# Altium PCB MODULE_4x100_Fx_V1.0.PcbDoc (part 2 of 3)
Units mm, origin at the board's own origin, x right, y up, seen from the top; angles counter-clockwise.
Board outline 87.3 x 95.5 mm, 6 copper layers (Top Layer, Int1 (GND), Int2 (SIG/PWR), Int3 (PWR), Int4 (GND), Bottom Layer), stack 1.452 mm thick; 347 components, 196 nets, 1179 pads, 431 vias.
Unrouted connection lines stored in the file: 11.
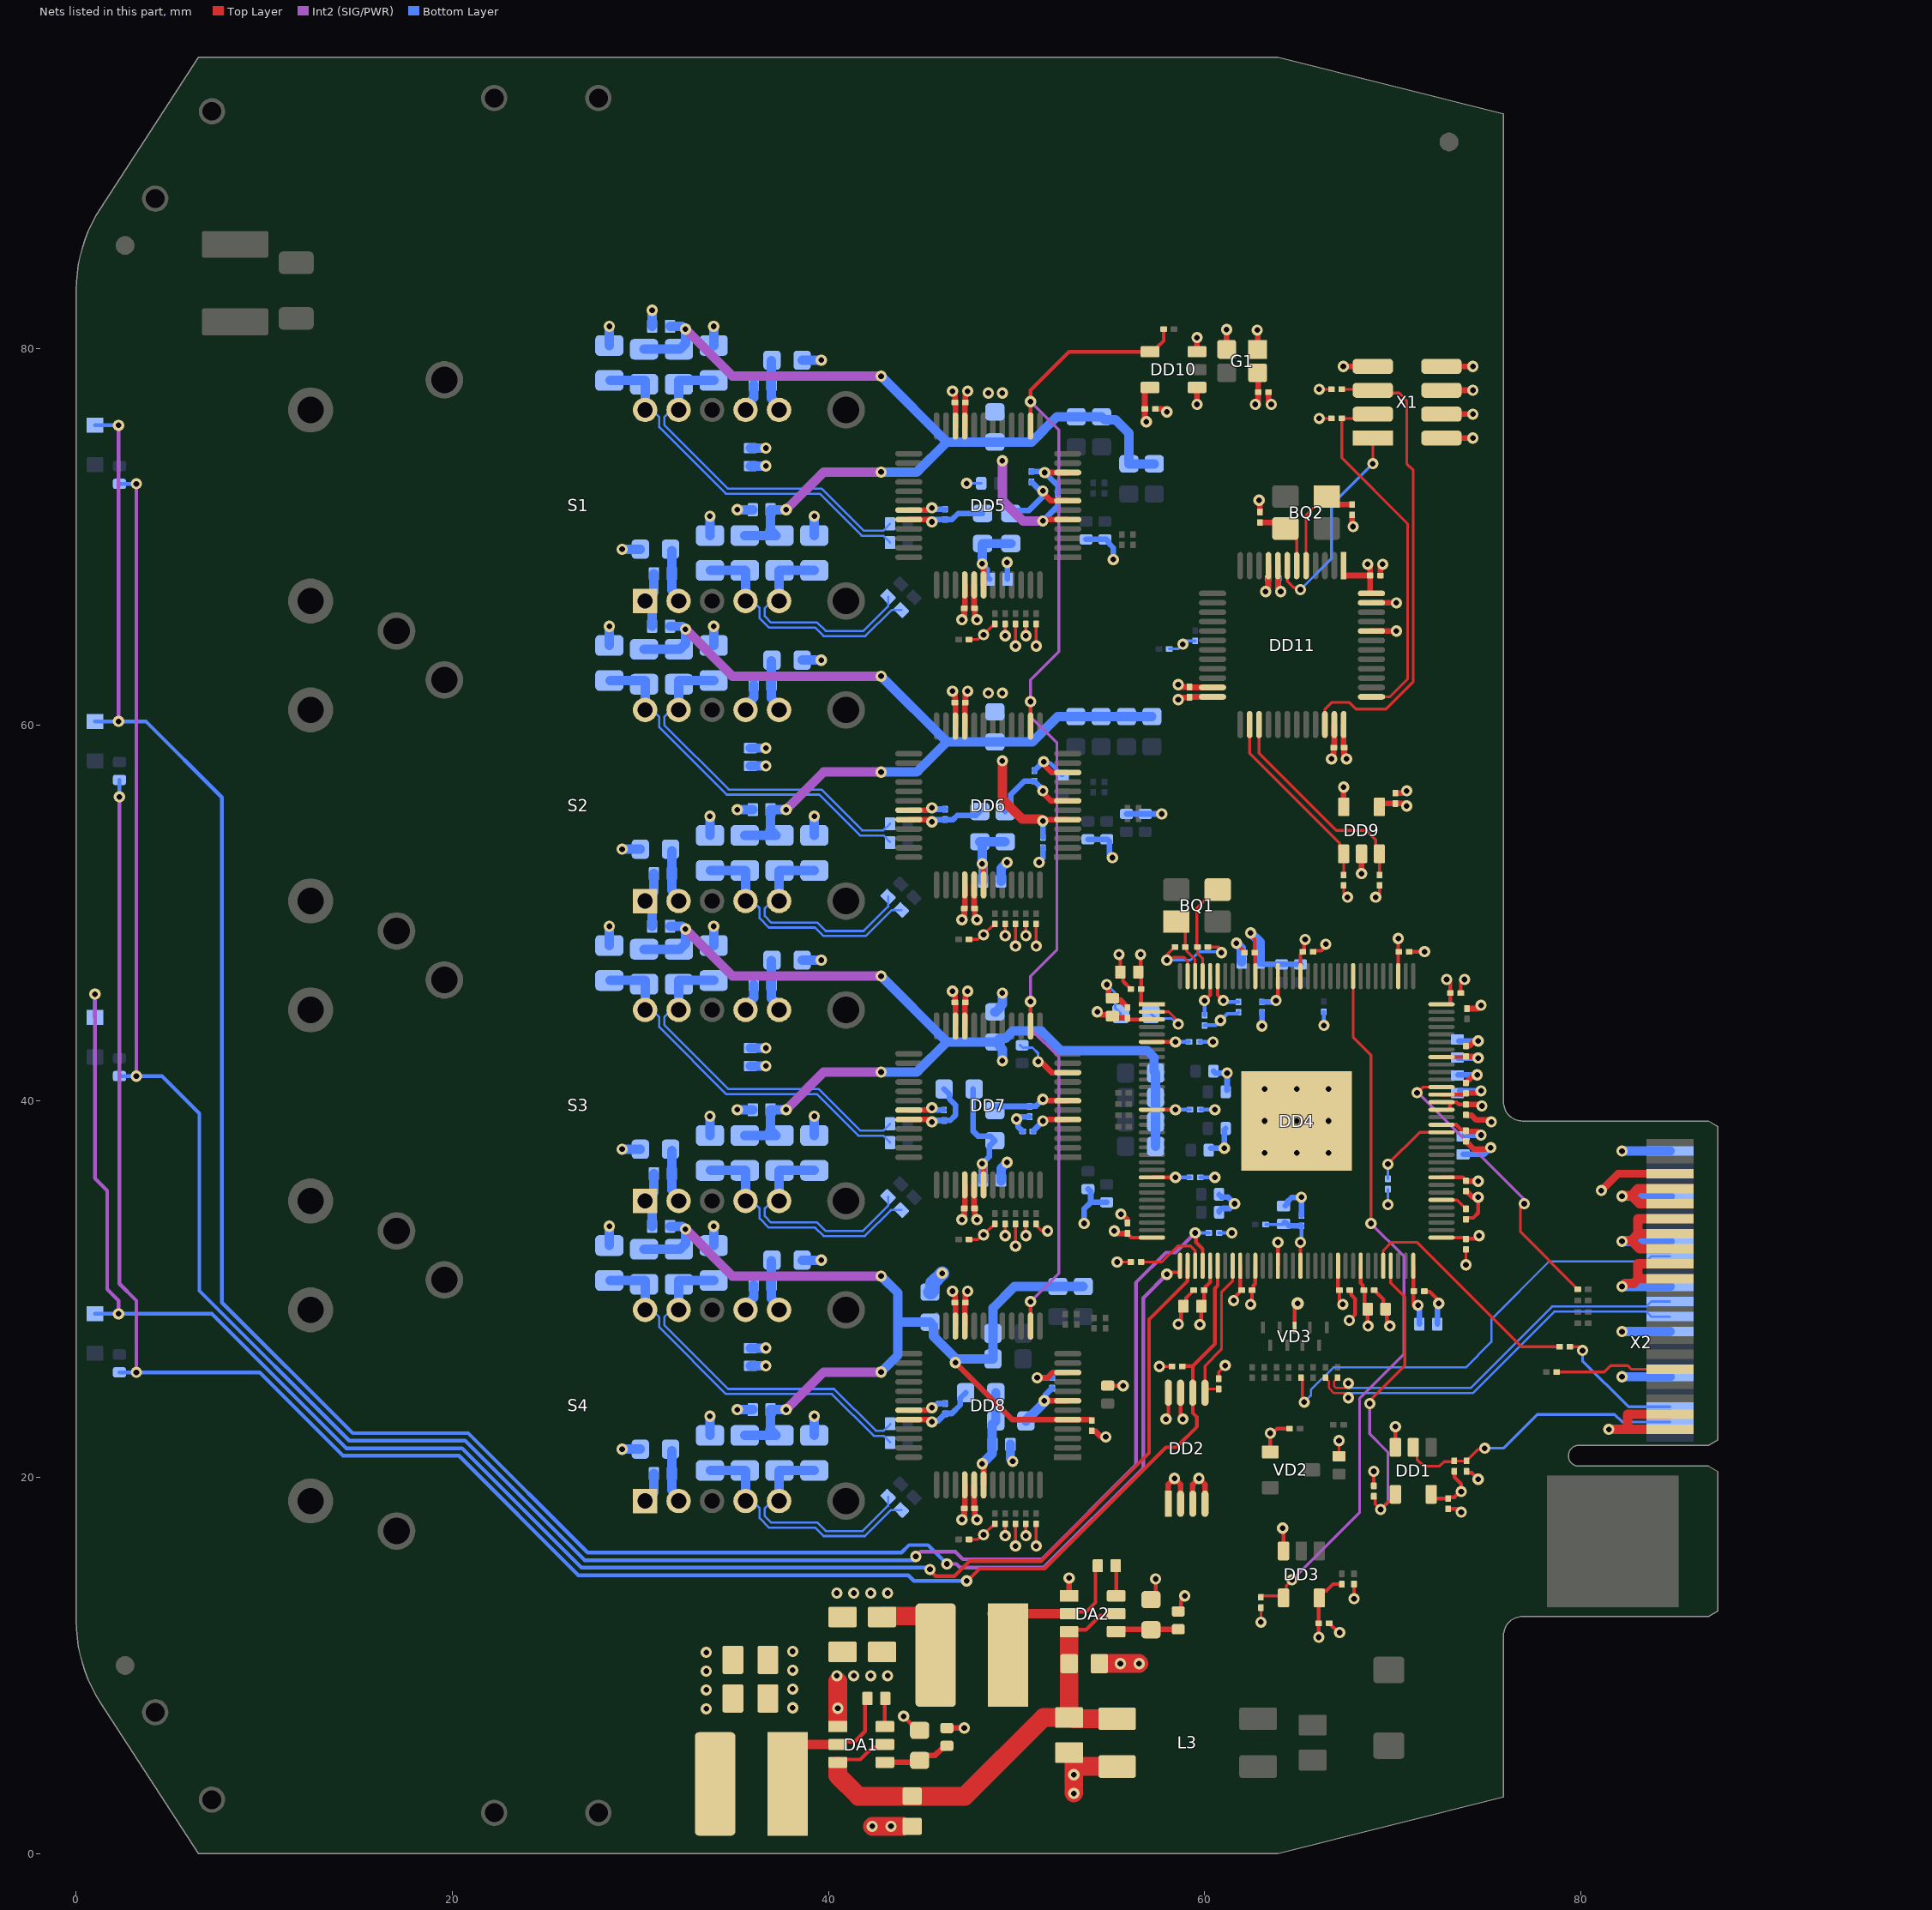
[diagram p6: the nets of this part, all layers, seen from the top]

## Via types
v1: diameter 0.6, hole 0.3, Top Layer to Bottom Layer, tented both sides, 421 vias
v2: diameter 0.6, hole 0.3, Top Layer to Bottom Layer, tented bottom, 9 vias
v3: diameter 0.65, hole 0.3, Top Layer to Bottom Layer, tented both sides, 1 vias

## Nets (pads, with @x,y where several pads share a name; then routed paths per layer and width w, separated by ;. In a path a pad name is that pad's centre, name@x,y a point inside that pad or via, vN(x,y) a via of type N, cw(c..) or ccw(c..) an arc to the next point about the centre after c; other vN are vias at no path point) (continued)
1G_TXRX_C_P: C53.2 X2.26 | length 24.9
  Top Layer w0.15: C53.2@65.125,25.3 65.2,25.225 65.2,24.1 v1(65.3,24)
  Bottom Layer w0.119: v1(65.3,24) 65.652,24.352 65.652,24.646 66.857,25.85 73.9,25.85 75.25,27.2 75.25,28.4 78.334,31.484 83.49,31.484 83.56,31.554 83.56,31.559 83.75,31.75 X2.26@84.75,31.75
1G_TXRX_D_N: C58.2 X2.20 | length 20.6
  Top Layer w0.119: C58.2@67.075,25.3 67.075,25.275 66.884,25.084 66.884,24.866 67,24.75 v1@67.65,24.75
  Bottom Layer w0.119: v1(67.65,25) 67.65,24.77 67.668,24.752 74.152,24.752 78.484,29.084 83.49,29.084 83.56,29.154 83.56,29.159 83.75,29.35 X2.20@84.75,29.35
1G_TXRX_D_P: C54.2 X2.18 | length 21
  Top Layer w0.119: C54.2@66.425,25.3 66.425,25.275 66.616,25.084 66.616,24.755 66.889,24.482 v1@67.65,24.482
  Bottom Layer w0.119: v1(67.65,24.232) 67.65,24.459 67.674,24.484 74.263,24.484 78.595,28.816 83.49,28.816 83.56,28.746 83.56,28.74 83.75,28.55 X2.18@84.75,28.55
+1V0: C31.2 C33.2 C34.2 C35.1 C37.2 C38.1 C39.2 C40.1 DD4.43 DD4.54 DD4.65 DD4.84 DD4.96 DD4.112 DD4.123 | length 15
  Top Layer w0.2: DD4.123@60.7,46.65 60.7,45.65 v1@60.95,45.4 ; v1@62.525,29.125 C35.1@62.525,29.95 ; C35.1@62.55,29.95 62.6,30 62.6,30.2 62.7,30.3 DD4.43@62.7,31.25 ; DD4.112@65.1,46.65 65.1,47.783 65.15,47.833 65.15,47.9 65.2,47.95 C34.2@65.225,47.95 65.25,47.95 65.3,48 65.3,48.025 v1@65.3,48.55 ; DD4.54@67.1,31.25 67.1,30.117 67.1,30 C38.1@67.15,29.95 ; v1@67.175,29.075 C38.1@67.175,29.95 ; DD4.65@72.6,32.75 73.733,32.75 73.85,32.75 73.9,32.7 v1@74.6,32.7 ; DD4.84@72.6,40.35 73.825,40.35 C33.2@73.9,40.425 C33.2@73.925,40.45 ; DD4.96@73.075,45.15 C37.2@73.075,45.75 v1@73.075,46.475
  Top Layer w0.3: C33.2@73.925,40.45 v1@74.625,40.45
  Bottom Layer w0.2: v1@61.075,45.275 C39.2@61.8,45.275
  Bottom Layer w0.3: C31.2@73.575,40.55 v1(74.7,40.55)
  other v1: 62.45,29.2 67.35,29.2 74.6,32.85 61,45.35 72.875,46.475 65.35,48.6
+1V8: C7.1 C10.1 C41.2 C42.2 C43.2 C44.2 C45.2 C46.2 C47.2 C48.2 C49.2 C50.2 DD4.3 DD4.6 DD4.15 DD4.24 DD4.46 DD4.57 DD4.82 DD4.83 DD4.115 DD4.124 L2.2 R3.2 | length 24.5
  Top Layer w0.2: C44.2@55.9,44.4 55.95,44.35 DD4.3@57.2,44.35 ; R3.2@57.15,13.5 57.4,13.75 v1(57.4,14.6) ; DD4.24@57.2,35.95 v1@58.4,35.95 ; DD4.15@57.2,39.55 v1@58.4,39.55 ; DD4.6@57.2,43.15 v1(58.45,43.15) ; v1@60.05,45.4 60.3,45.65 DD4.124@60.3,46.65 ; DD4.46@63.9,31.25 v1(63.9,32.5) ; v1@63.9,45.35 DD4.115@63.9,46.65 ; DD4.57@68.3,31.25 68.3,30.33 68.412,30.218 68.412,30 68.462,29.95 C41.2@68.475,29.95 68.5,29.925 68.5,29.125 C42.2@68.675,28.95 68.675,28.075 v1(68.7,28.05) ; DD4.83@72.6,39.95 DD4.83@73.05,39.95 ; DD4.82@73.05,39.55 DD4.83@73.05,39.95 ; C50.2@73.9,39.825 73.525,39.825 73.4,39.95 DD4.83@73.05,39.95
  Top Layer w0.3: v1@54.35,44.75 54.5,44.6 55.025,44.6 C48.2@55.1,44.525 ; C48.2@55.12,44.575 55.27,44.425 C44.2@55.9,44.425 ; C50.2@73.9,39.825 v1@74.725,39.825
  Top Layer w1: C10.1@42.85,12.58 42.9,12.63 L2.2@45.8,12.63
  Bottom Layer w0.2: v1(58.45,35.95) C47.2@59.225,35.95 ; v1(58.45,39.55) C45.2@59.225,39.55 ; v1(58.45,43.15) C43.2@59.175,43.15 ; C46.2@60,44.575 v1(60,45.35)
  Bottom Layer w0.3: C49.2@63.05,45.275 63.644,45.275 63.719,45.35 v1(63.8,45.35)
  other v1: 40.45,13.85 41.35,13.85 42.25,13.85 43.15,13.85 74.75,39.75 54.3,44.75
+2V5_EXT: C11.1 C20.1 DD1.5 DD3.5 R5.2 R11.2 X2.35 | length 10.6
  Top Layer w0.2: v1@66.075,11.625 C20.1@66.075,12.25 DD3.5@66.075,13.565 ; DD3.5@66.1,13.59 66.1,13.78 66.3,13.98 66.49,13.98 66.835,14.325 R11.2@67.3,14.325 ; DD1.5@72.05,19.075 72.25,18.875 C11.1@72.95,18.875 ; C11.1@73,18.875 73.077,18.952 73.302,18.952 73.65,19.3 73.65,19.65 73.293,20.007 73.293,20.312 R5.2@73.28,20.325
  Top Layer w0.4: v1(81.1,35.25) 82,36.15 X2.35@84.75,36.15
  other v1: 66.075,11.5 73.65,19.25
+3V3: C6.1 C9.1 C12.2 C13.1 C14.2 C15.2 C16.1 C17.2 C18.2 C21.1 C22.2 C23.2 C26.1 C27.2 C28.2 C29.1 C30.2 C32.1 C36.1 C59.2 C60.2 C75.1 C79.2 C80.2 C95.1 C98.2 C99.2 C114.1 C117.2 C118.2 C133.1 C136.2 C137.2 C138.2 C141.2 C142.2 C143.2 C144.2 DD2.8 DD4.1 DD4.32 DD4.37 DD4.49 DD4.64 DD4.73 DD4.80 DD4.89 DD4.99 DD4.118 DD5.22 DD5.40 DD6.22 DD6.40 DD7.22 DD7.40 DD8.22 DD8.40 DD9.4 DD10.1 DD10.5 DD11.1 DD11.9 DD11.24 DD11.36 DD11.48 G1.1 G1.4 L1.2 L4.2 L7.2 L8.2 L9.2 L12.2 L13.2 L14.2 L17.2 L18.2 L19.2 L22.2 L23.2 R1.2 R10.2 R12.2 R14.2 R15.2 R16.2 R17.1 R18.2 R33.1 R34.1 R35.1 R36.1 R39.1 R41.1 R54.1 R55.1 R56.1 R58.1 R59.1 R60.1 R63.1 R65.1 R78.1 R79.1 R80.1 R81.1 R82.1 R83.1 R86.1 R88.1 R101.1 R102.1 R103.1 R104.1 R105.1 R106.1 R109.1 R111.1 R124.1 R125.1 R126.1 R127.1 R128.1 R129.1 R131.2 R132.2 VD2.1 X1.7 X1.8 | length 122.3
  Top Layer w0.15: R105.1@47.475,16.7 47.937,16.7 v1@48.187,16.95 ; R82.1@47.475,32.65 47.937,32.65 v1@48.187,32.9 ; R59.1@47.475,48.6 47.937,48.6 v1@48.187,48.85 ; R33.1@47.475,64.55 47.937,64.55 v1@48.187,64.8 ; v1(48.25,16.95) 48.85,17.55 R109.1@48.85,17.525 ; v1(48.25,32.9) R86.1@48.85,33.5 ; v1(48.25,48.85) R63.1@48.85,49.45 ; v1(48.25,64.8) R39.1@48.85,65.4 ; v1(49.95,16.35) R111.1@49.95,17.525 ; v1(49.95,32.3) R88.1@49.95,33.475 ; v1(49.95,48.25) R65.1@49.95,49.425 ; v1(49.95,64.2) R41.1@49.95,65.375 ; v1(51.05,16.35) R106.1@51.05,17.525 ; R83.1@51.05,33.475 51.05,33.4 51.35,33.1 v1(51.65,33.1) ; v1(51.05,48.25) R60.1@51.05,49.425 ; v1(51.05,64.2) R36.1@51.05,65.375 ; v1(57.6,25.9) R14.2@58.275,25.9 ; R15.2@60.75,25.25 60.75,25.6 v1(61.1,25.95) ; v1(63,12.3) R16.2@63,13.075 ; v1(66.1,76.3) R129.1@66.75,76.3 ; v1(66.1,77.85) R128.1@66.75,77.85 ; R131.2@67.4,51.475 67.4,51.05 v1(67.6,50.85) ; v1(69.1,50.85) 69.3,51.05 R132.2@69.3,51.475
  Top Layer w0.2: v1(44,7.3) 44.39,6.91 44.395,6.91 44.755,6.55 R1.2@44.85,6.55 ; C26.1@55.95,32.9 56.1,32.75 DD4.32@57.2,32.75 ; v1(56.6,47.8) 56.6,46.745 56.625,46.72 C29.1@56.625,45.97 DD4.1@56.625,45.15 ; v1(57.95,23.1) 58.075,23.225 DD2.8@58.075,24.5 ; v1@59.825,28.125 C13.1@59.825,29.1 ; C13.1@59.975,29.25 C16.1@59.975,29.95 60,29.95 60.05,30 60.05,30.13 60.3,30.38 DD4.37@60.3,31.25 ; v1(62.45,48.95) 62.45,48.815 62.675,48.59 C17.2@62.675,47.9 ; DD4.118@62.7,46.65 C17.2@62.7,47.875 ; VD2.1@63.496,21.35 v1(63.496,22.354) ; v1@63.617,22.354 63.864,22.6 R12.2@64.525,22.6 ; DD4.49@65.1,31.25 v1(65.1,32.5) ; R10.2@69,19.55 v1(69,20.325) ; DD4.99@70.3,46.65 v1(70.3,48.65) ; v1@71.1,29.15 DD4.64@71.1,31.25 ; DD4.73@72.6,35.95 73.725,35.95 73.825,35.85 73.85,35.85 73.9,35.8 C15.2@73.95,35.75 ; DD4.80@72.6,38.75 73.391,38.75 73.642,38.499 73.85,38.499 73.9,38.449 C36.1@73.9,38.425 C36.1@73.925,38.4 ; DD4.89@72.6,42.35 C28.2@73.9,42.35
  Top Layer w0.3: v1@46.6,29.85 46.725,29.725 C117.2@46.725,29.3 ; v1@46.6,45.8 46.725,45.675 C98.2@46.725,45.25 ; v1@46.6,61.75 46.725,61.625 C79.2@46.725,61.2 ; v1@46.6,77.7 46.725,77.575 C59.2@46.725,77.15 ; DD8.22@46.75,28.05 46.75,29.225 C117.2@46.75,29.3 ; DD7.22@46.75,44 46.75,45.175 C98.2@46.75,45.25 ; DD6.22@46.75,59.95 46.75,61.125 C79.2@46.75,61.2 ; DD5.22@46.75,75.9 46.75,77.075 C59.2@46.75,77.15 ; v1@47.1,17.8 47.225,17.925 C118.2@47.225,18.35 ; v1@47.1,33.75 47.225,33.875 C99.2@47.225,34.3 ; v1@47.1,49.7 47.225,49.825 C80.2@47.225,50.25 ; v1@47.1,65.65 47.225,65.775 C60.2@47.225,66.2 ; C118.2@47.25,18.35 47.25,18.425 DD8.40@47.25,19.6 ; C99.2@47.25,34.3 47.25,34.375 DD7.40@47.25,35.55 ; C80.2@47.25,50.25 47.25,50.325 DD6.40@47.25,51.5 ; C60.2@47.25,66.2 47.25,66.275 DD5.40@47.25,67.45 ; v1(55.2,33.1) 55.325,32.975 C26.1@55.9,32.975 ; v1@56.825,76.125 C138.2@56.825,76.8 56.825,77.8 DD10.5@56.975,77.95 ; v1@58.6,61.4 58.675,61.475 C143.2@59.2,61.475 59.2,61.5 59.25,61.5 DD11.24@60.425,61.5 ; v1(59.6,77.05) DD10.1@59.6,77.95 ; v1(62.7,77.05) 62.85,77.2 C136.2@62.85,77.7 G1.4@62.85,78.7 ; v1(62.8,81) 62.825,80.975 G1.1@62.825,79.975 ; v1(63.25,67.1) 63.4,67.25 DD11.9@63.4,68.475 ; v1(67.38,79.07) X1.7@68.95,79.07 ; DD11.36@67.4,60.025 67.4,58.85 67.4,58.8 C144.2@67.425,58.8 67.425,58.275 v1@67.5,58.2 ; DD11.1@67.4,67.95 C142.2@68.8,67.95 ; v1@68.725,68.55 68.8,68.475 C142.2@68.8,67.95 ; DD11.48@68.8,67 C142.2@68.8,67.95 ; DD9.4@69.3,55.675 69.45,55.825 C137.2@70.15,55.825 70.675,55.825 v1@70.75,55.75 ; X1.8@72.7,79.07 v1(74.27,79.07) ; C28.2@73.9,42.375 74.475,42.375 v1(74.55,42.3) ; C36.1@73.925,38.4 74.5,38.4 v1(74.7,38.2) ; C15.2@73.95,35.75 v1(74.55,35.75)
  Bottom Layer w0.15: R34.1@58.125,64.05 58.6,64.05 v1(58.85,64.3) 59.025,64.475 R35.1@59.5,64.475 ; R18.2@63.25,33.45 C22.2@64.15,33.45
  Bottom Layer w0.2: R17.1@60.775,33 v1(61.45,33) ; v1@65.15,32.45 C27.2@65.15,33.375
  Bottom Layer w0.3: v1(53.6,33.5) 53.6,34.275 53.95,34.625 ; R56.1@53.7,69.875 R58.1@54.7,69.875 54.77,69.875 54.895,69.75 54.895,69.68 55.15,69.425 v1(55.15,68.8) ; R125.1@53.8,35.325 53.825,35.325 53.95,35.2 53.95,34.625 ; R80.1@53.8,53.925 R81.1@54.8,53.925 54.825,53.925 54.95,53.8 54.95,53.1 v1(55.1,52.95) ; R124.1@54.8,34.625 53.95,34.625 ; R78.1@55.85,55.275 v1(57.725,55.275) ; R103.1@60.325,37.5 60.874,37.5 61.05,37.676 61.05,38.475 R104.1@61.125,38.55 ; R102.1@60.475,41.6 60.575,41.5 v1(61.2,41.5) R101.1@61.2,40.575 ; R126.1@60.775,34.1 60.775,34.17 60.9,34.295 60.97,34.295 60.975,34.3 61.35,34.3 v1(61.6,34.55) 61.25,34.9 60.9,34.9 60.775,35.025 R127.1@60.775,35.05 ; C14.2@63,47.35 63,47.325 63.05,47.275 R55.1@65.1,47.275 ; v1(63.25,67.1) 63.25,67.181 63.375,67.306 C141.2@63.375,67.8 ; C22.2@64.25,33.55 64.295,33.55 64.47,33.375 C27.2@65.15,33.375 ; C12.2@71.425,28.15 v1@71.425,29.075 ; C23.2@73.475,42.3 v1(74.55,42.3) ; C32.1@73.825,38.2 v1(74.7,38.2)
  Bottom Layer w0.5: v1(29.03,21.5) L22.2@30,21.5 ; v1(29.03,37.45) L17.2@30,37.45 ; v1(29.03,53.4) L12.2@30,53.4 ; v1(29.03,69.35) L7.2@30,69.35 ; C133.1@35.85,25.925 v1(36.675,25.925) ; C114.1@35.85,41.875 v1(36.675,41.875) ; C95.1@35.85,57.825 v1(36.675,57.825) ; C75.1@35.85,73.775 v1(36.675,73.775) ; L23.2@38.6,31.55 v1(39.62,31.55) ; L18.2@38.6,47.5 v1(39.62,47.5) ; L13.2@38.6,63.45 v1(39.62,63.45) ; L8.2@38.6,79.4 v1(39.62,79.4) ; L14.2@48.85,44.75 48.9,44.75 49.11,44.96 49.11,45.01 49.25,45.15 v1(49.25,45.75) ; v1(62.45,48.95) 62.949,48.451 62.949,47.424 C14.2@62.925,47.4
  Bottom Layer w0.75: L19.2@45.4,29.85 45.45,29.85 45.535,29.935 45.535,30.335 v1(46.05,30.85)
  other v1: 33.502,7.698 33.502,8.698 33.502,9.698 33.502,10.698 47.1,17.75 59.75,28.125 71.35,29.15 46.6,29.9 47.1,33.7 61.05,37.5 46.6,45.85 47.1,49.65 70.75,55.7 67.55,58.2 58.6,61.35 48.5,61.7 49.25,61.7 46.6,61.8 47.1,65.6 68.675,68.55 56.9,76.125 48.5,77.65 49.25,77.65 46.6,77.75
+3V3_P0: C61.2 C66.1 C67.1 DD5.5 L4.1 R42.2 R43.2 R45.2 R47.2 R48.2 R50.2 R52.2 R53.2 | length 55.2
  Top Layer w0.3: v1(51.4,70.85) 51.475,70.925 DD5.5@52.725,70.925
  Int2 (SIG/PWR) w0.5: v1(32.4,81.05) 34.9,78.55 v1(42.8,78.55) ; v1(37.75,71.45) 39.75,73.45 v1(42.8,73.45) ; v1(49.25,74.05) 49.25,71.95 50.35,70.85 v1(51.4,70.85)
  Bottom Layer w0.3: v1(51.4,70.85) 52.2,71.65 C61.2@52.2,71.725
  Bottom Layer w0.5: R43.2@30.2,79.98 R48.2@32.05,79.98 32.1,79.98 32.4,80.28 32.4,81.021 32.221,81.2 C66.1@31.575,81.2 ; R45.2@35.55,70.08 37.225,70.08 36.925,70.38 C67.1@36.925,71.45 v1(37.75,71.45) ; v1(42.8,73.45) 44.7,73.45 46.3,75.05 ; v1(42.8,78.55) 46.3,75.05 ; R47.2@57.326,73.89 R42.2@55.976,73.89 55.976,75.524 55.279,76.221 54.695,76.221 R53.2@54.526,76.39 R52.2@53.176,76.39 52.14,76.39 50.8,75.05 L4.1@48.85,75.05 46.3,75.05
+3V3_P1: C81.2 C86.1 C87.1 DD6.5 L9.1 R66.2 R67.2 R69.2 R71.2 R72.2 R74.2 R76.2 R77.2 | length 52.7
  Top Layer w0.3: v1(51.4,54.9) 51.475,54.975 DD6.5@52.725,54.975
  Top Layer w0.5: v1(49.25,58.1) 49.25,56.05 50.3,55 51.273,55 51.373,54.9 v1(51.4,54.9)
  Int2 (SIG/PWR) w0.5: v1(32.4,65.1) 34.9,62.6 v1(42.8,62.6) ; v1(37.75,55.5) 39.75,57.5 v1(42.8,57.5)
  Bottom Layer w0.3: C81.2@51.4,54.025 v1(51.4,54.9)
  Bottom Layer w0.5: R67.2@30.2,64.03 R72.2@32.05,64.03 32.1,64.03 32.4,64.33 32.4,65.071 32.221,65.25 C87.1@31.575,65.25 ; R69.2@35.55,54.13 37.225,54.13 36.925,54.43 C86.1@36.925,55.5 v1(37.75,55.5) ; v1(42.8,57.5) 44.7,57.5 46.3,59.1 ; v1(42.8,62.6) 46.3,59.1 ; L9.1@48.85,59.1 46.3,59.1 ; L9.1@48.95,59.1 50.85,59.1 52.2,60.45 R76.2@53.15,60.45 R77.2@54.5,60.45 R66.2@55.85,60.45 R71.2@57.2,60.45
+3V3_P2: C100.2 C105.1 C106.1 DD7.5 L14.1 R89.2 R90.2 R92.2 R94.2 R95.2 R97.2 R99.2 R100.2 | length 54.1
  Top Layer w0.3: v1@51.475,39.025 DD7.5@52.725,39.025
  Int2 (SIG/PWR) w0.5: v1(32.4,49.15) 34.9,46.65 v1(42.8,46.65) ; v1(37.75,39.55) 39.75,41.55 v1(42.8,41.55)
  Bottom Layer w0.3: C100.2@50.875,38.4 50.9,38.4 50.9,38.425 v1@51.4,38.925
  Bottom Layer w0.5: R90.2@30.2,48.08 R95.2@32.05,48.08 32.1,48.08 32.4,48.38 32.4,49.121 32.221,49.3 C106.1@31.575,49.3 ; R92.2@35.55,38.18 37.225,38.18 36.925,38.48 C105.1@36.925,39.55 v1(37.75,39.55) ; v1(42.8,41.55) 44.7,41.55 46.3,43.15 ; v1(42.8,46.65) 46.3,43.15 ; v1(49.25,42.15) 49.25,42.75 49.11,42.89 49.11,42.94 L14.1@48.9,43.15 ; R99.2@57.4,37.6 R100.2@57.4,38.9 R89.2@57.4,40.2 R94.2@57.4,41.5 57.314,41.586 57.314,42.336 56.95,42.7 52.35,42.7 51.319,43.731 49.806,43.731 49.435,43.36 49.11,43.36 L14.1@48.9,43.15 ; 46.3,43.15 L14.1@48.9,43.15
  other v1: 51.4,38.95
+3V3_P3: C119.2 C124.1 C125.1 DD8.5 L19.1 R112.2 R113.2 R115.2 R117.2 R118.2 R120.2 R122.2 R123.2 | length 53.8
  Top Layer w0.3: v1(46.75,26.1) 49.775,23.075 DD8.5@52.725,23.075 53.9,23.075 53.925,23.05 54,23.05 C119.2@54,23.025
  Int2 (SIG/PWR) w0.5: v1(32.4,33.2) 34.9,30.7 v1(42.8,30.7) ; v1(37.75,23.6) 39.75,25.6 v1(42.8,25.6)
  Bottom Layer w0.5: R113.2@30.2,32.13 R118.2@32.05,32.13 32.1,32.13 32.4,32.43 32.4,33.171 32.221,33.35 C124.1@31.575,33.35 ; R115.2@35.55,22.23 37.225,22.23 36.925,22.53 C125.1@36.925,23.6 v1(37.75,23.6) ; v1(42.8,25.6) 43.7,26.5 43.7,28.25 ; v1(42.8,30.7) 43.7,29.8 43.7,28.25 ; R112.2@53.55,30.15 R117.2@52.2,30.15 49.9,30.15 48.75,29 R123.2@48.75,27.65 R122.2@48.75,26.3 46.8,26.3 45.586,27.514 45.586,28.064 L19.1@45.4,28.25 43.7,28.25
CLK_25MHZ: DD5.14 DD6.14 DD7.14 DD8.14 DD10.4 R130.2 | length 66.1
  Top Layer w0.2: DD8.14@50.75,28.05 v1(50.75,29.35) ; DD7.14@50.75,44 v1(50.75,45.3) ; DD6.14@50.75,59.95 v1(50.75,61.25) ; DD5.14@50.75,75.9 v1(50.75,77.2) 50.75,77.8 52.8,79.85 DD10.4@57.1,79.85 57.3,79.85 57.5,80.05 57.5,80.1 57.825,80.425 R130.2@57.825,81.05
  Int2 (SIG/PWR) w0.15: v1(50.75,29.35) 52.25,30.85 52.25,42.35 50.75,43.85 v1(50.75,45.3) 50.75,46.65 52.15,48.05 52.15,59.05 50.75,60.45 v1(50.75,61.25) 50.75,62.4 52.25,63.9 52.25,75.7 v1(50.75,77.2)
GND: C1.2 C2.2 C6.2 C7.2 C8.1 C9.2 C10.2 C11.2 C12.1 C13.2 C14.1 C15.1 C16.2 C17.1 C18.1 C19.1 C20.2 C21.2 C22.1 C23.1 C26.2 C27.1 C28.1 C29.2 C30.1 C31.1 C32.2 C33.1 C34.1 C35.2 C36.2 C37.1 C38.2 C39.1 C40.2 C41.1 C42.1 C43.1 C44.1 C45.1 C46.1 C47.1 C48.1 C49.1 C50.1 C59.1 C60.1 C61.1 C66.2 C67.2 C68.2 C69.2 C70.1 C75.2 C76.2 C77.1 C79.1 C80.1 C81.1 C86.2 C87.2 C88.2 C89.2 C90.1 C95.2 C96.2 C97.1 C98.1 C99.1 C100.1 C105.2 C106.2 C107.2 C108.2 C109.1 C114.2 C115.2 C116.1 C117.1 C118.1 C119.1 C124.2 C125.2 C126.2 C127.2 C128.1 C133.2 C134.2 C135.1 C136.1 C137.1 C138.1 C139.1 C140.1 C141.1 C142.1 C143.1 C144.1 DA1.1 DA2.1 DD1.3 DD2.1 DD2.2 DD2.3 DD2.4 DD2.7 DD3.3 DD4.41 DD4.EP DD5.10 DD5.21 DD5.31 DD5.41 DD6.10 DD6.21 DD6.31 DD6.41 DD7.10 DD7.21 DD7.31 DD7.41 DD8.10 DD8.21 DD8.31 DD8.41 DD9.2 DD9.5 DD10.3 DD11.8 DD11.23 DD11.35 DD11.44 DD11.47 G1.2 L3.4 R2.2 R4.2 R9.2 R13.2 R23.2 R24.2 R25.1 R26.1 R27.1 R28.2 R37.2 R38.1 R40.1 R44.1 R46.1 R49.1 R51.1 R61.2 R62.1 R64.1 R68.1 R70.1 R73.1 R75.1 R84.2 R85.1 R87.1 R91.1 R93.1 R96.1 R98.1 R107.2 R108.1 R110.1 R114.1 R116.1 R119.1 R121.1 S1.1 S1.7 S2.1 S2.7 S3.1 S3.7 S4.1 S4.7 VD3.3 X1.2 X1.4 X1.6 X2.1 X2.3 X2.10 X2.16 X2.21 X2.22 X2.23 X2.25 X2.27 X2.28 X2.29 X2.31 X2.33 X2.34 X2.40 | length 219.8
  Top Layer w0.15: v1(49.4,16.9) R108.1@49.4,17.525 ; v1(49.4,32.85) R85.1@49.4,33.475 ; v1(49.4,48.8) R62.1@49.4,49.425 ; v1(49.4,64.75) R38.1@49.4,65.375 ; v1(50.5,16.9) R110.1@50.5,17.525 ; v1(50.5,32.85) R87.1@50.5,33.475 ; v1(50.5,48.8) R64.1@50.5,49.425 ; v1(50.5,64.75) R40.1@50.5,65.375 ; v1(55.35,31.45) R28.2@56.075,31.45 ; C19.1@67.15,21.125 v1(67.15,21.95) ; v1(73.9,31.3) C40.2@73.9,32.125
  Top Layer w0.2: R107.2@54.85,24.875 v1(55.675,24.875) ; v1(55.45,47.8) 55.525,47.725 C21.2@55.525,46.87 55.659,46.737 55.659,46.391 55.745,46.305 55.745,46.3 56,46.045 56,46.02 56.05,45.97 C29.2@56.075,45.97 ; R4.2@58.6,12.875 58.75,13.025 58.75,13.45 v1@58.95,13.65 ; v1(58.6,28.15) 58.75,28.3 58.75,28.975 C13.2@58.875,29.1 59.031,29.256 59.031,29.556 59.35,29.875 59.35,29.9 59.4,29.95 C16.2@59.425,29.95 ; DD2.7@58.725,24.5 58.725,23.225 v1(58.85,23.1) ; v1@61.6,29.35 61.6,29.575 61.9,29.875 61.9,29.9 C35.2@61.95,29.95 ; v1(61.7,48.4) 61.7,48.362 62.025,48.037 62.025,47.975 62.1,47.9 C17.1@62.125,47.9 ; DD4.41@61.9,31.25 61.9,30 61.95,29.95 C35.2@61.975,29.95 ; DD3.3@64.2,16.09 v1@64.2,17.3 ; VD3.3@64.8,27.975 64.8,29.1 v3(64.95,29.25) ; C34.1@65.775,47.95 65.825,48 65.967,48 66.2,48 v1@66.45,48.25 ; C20.2@66.625,12.25 66.65,12.25 66.7,12.2 66.7,12.175 67.125,11.75 v1(67.188,11.75) v1@67.25,11.75 ; C38.2@67.725,29.95 67.75,29.95 67.8,29.9 67.8,29.7 68,29.5 68,28.65 v1@67.75,28.4 ; v1(67.95,13.55) R13.2@67.95,14.325 ; C41.1@69.025,29.95 69.05,29.95 69.1,29.9 69.1,29.875 69.519,29.456 69.519,29.056 C42.1@69.625,28.95 69.7,28.875 69.7,28.2 v1(69.85,28.05) ; DD1.3@70.15,21.6 v1(70.15,22.7) ; C30.1@70.875,47.95 v1(71.7,47.95) ; C18.1@71.685,29.9 71.718,29.867 71.983,29.867 72.45,29.4 v1(72.45,29.25) ; C11.2@73,18.325 73.475,18.325 v1(73.65,18.15) ; C37.1@73.625,45.75 v1@73.625,46.475 ; R25.1@73.9,33.725 73.973,33.798 74.286,33.798 74.55,34.062 v1(74.55,34.9) ; R9.2@73.93,20.325 73.93,20.3 73.98,20.25 74.2,20.25 v1(74.55,19.9)